# Allegro board RK3568_Template_DDR4P216SD6_48x32_1600MHZ_V10_20210129GXL.brd (continued)
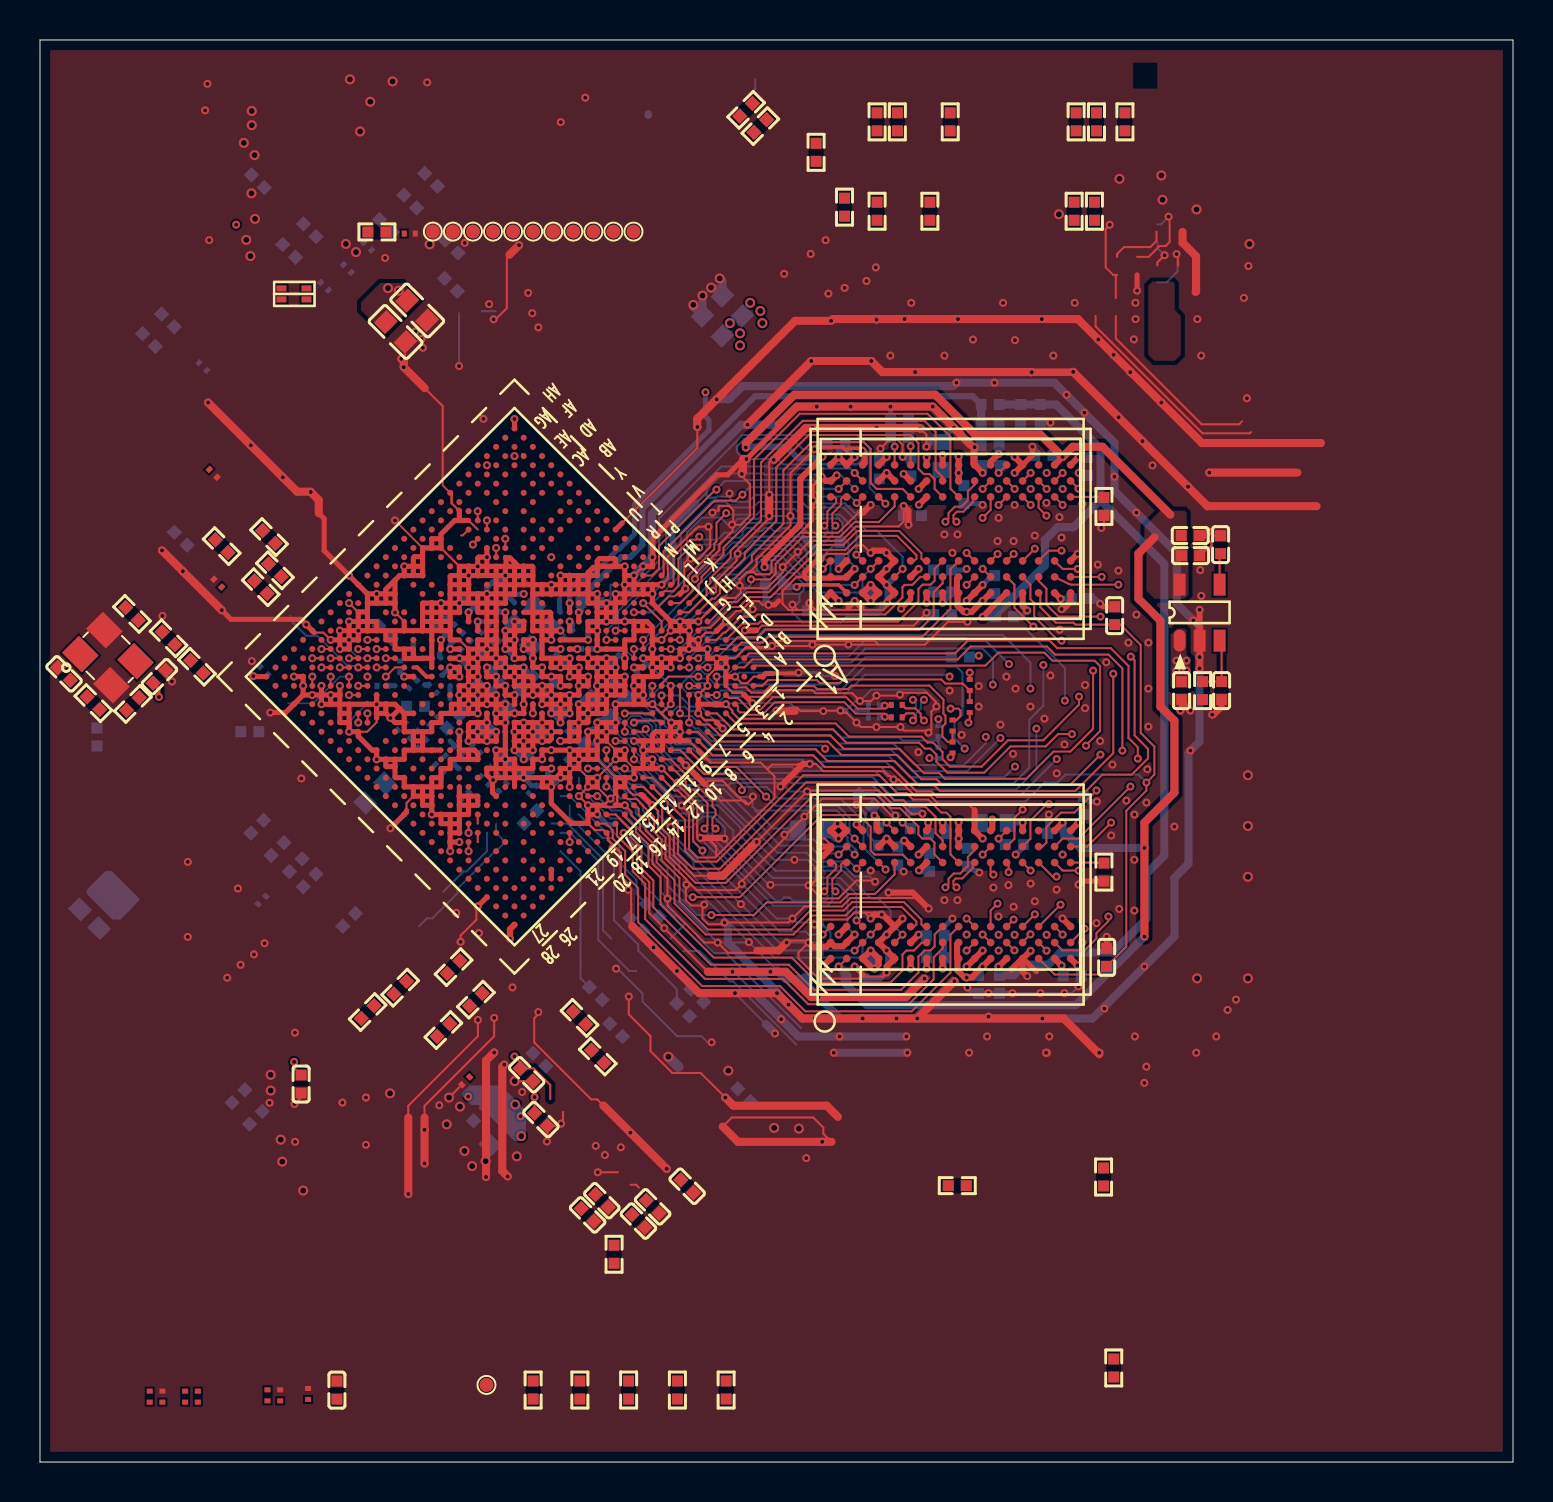
[diagram p0: board, top side]
## Nets (continued)
MIPI_DSI_TX0_D0N/LVDS_TX0_D0N: U1000.AG17
MIPI_DSI_TX0_D0P/LVDS_TX0_D0P: U1000.AH17
MIPI_DSI_TX0_D1N/LVDS_TX0_D1N: U1000.AG16
MIPI_DSI_TX0_D1P/LVDS_TX0_D1P: U1000.AH16
MIPI_DSI_TX0_D2N/LVDS_TX0_D2N: U1000.AG14
MIPI_DSI_TX0_D2P/LVDS_TX0_D2P: U1000.AH14
MIPI_DSI_TX0_D3N/LVDS_TX0_D3N: U1000.AG13
MIPI_DSI_TX0_D3P/LVDS_TX0_D3P: U1000.AH13
MIPI_DSI_TX1_CLKN: U1000.AE15
MIPI_DSI_TX1_CLKP: U1000.AD15
MIPI_DSI_TX1_D0N: U1000.AE18
MIPI_DSI_TX1_D0P: U1000.AD18
MIPI_DSI_TX1_D1N: U1000.AC17
MIPI_DSI_TX1_D1P: U1000.AD17
MIPI_DSI_TX1_D2N: U1000.AC14
MIPI_DSI_TX1_D2P: U1000.AD14
MIPI_DSI_TX1_D3N: U1000.AE12
MIPI_DSI_TX1_D3P: U1000.AD12
PCIE20_CLKREQN_M1: U1000.AG6
PCIE20_PERSTN_M1: U1000.AD1
PCIE20_PRSNT_L_GPIO3_B6: U1000.AE3
PCIE20_REFCLKN: U1000.V25
PCIE20_REFCLKP: U1000.V24
PCIE20_RXN: U1000.Y28
PCIE20_RXP: U1000.Y27
PCIE20_TXN: U1000.W28
PCIE20_TXP: U1000.W27
PCIE20_WAKEN_M1: U1000.AD7
PCIE30_REFCLKN_IN: U1000.AA25
PCIE30_REFCLKP_IN: U1000.Y25
PCIE30_RESREF: R1400.1 U1000.U19
PCIE30_RX0N: U1000.AC27
PCIE30_RX0P: U1000.AC28
PCIE30_RX1N: U1000.AD27
PCIE30_RX1P: U1000.AD28
PCIE30_TX0N: U1000.AA27
PCIE30_TX0P: U1000.AA28
PCIE30_TX1N: U1000.AB27
PCIE30_TX1P: U1000.AB28(PCIE30_TX1P)
PCIE30X1_CLKREQN_M1: U1000.AC8
PCIE30X1_PERSTN_M1: U1000.AB8
PCIE30X1_PRSNT_L_GPIO3_A0: U1000.AH4
PCIE30X1_WAKEN_M1: U1000.AC7
PCIE30X2_CLKREQN_M1: U1000.AF5
PCIE30X2_PERSTN_M1: U1000.AD6
PCIE30X2_PRSNT_L_GPIO2_D7: U1000.AH5
PCIE30X2_WAKEN_M1: U1000.AF6
PCIE_PWREN_H_GPIO0_D4: U1000.AB23
PDM_CLK0_M0_RK809: R1906.2
PDM_CLK0_M0_SOC: R1906.1 U1000.C20
PDM_CLK1_M0_ADC: R1904.2
PDM_CLK1_M0_SOC: R1904.1 U1000.F18
PDM_SDI1_M0_ADC: U1000.A21
PDM_SDI2_M0_ADC: U1000.E20
PDM_SDI3_M0_ADC: U1000.D20
PMIC_INT_L: U1000.AA22
PMIC_SLEEP_H: U1000.AG28
PWM3_IR: U1000.AG23
REFCLK_OUT: R1203.2
REFCLKOUT: R1203.1 U1000.AG27
RESETN: C1200.1 R1201.1 U1000.AH27
RS485_DIR_GPIO3_B5: U1000.AE2
RTCIC_INT_L_GPIO0_D3: U1000.AE26
SARADC_VIN0_KEY/RECOVERY: C1501.1 R1512.2 TP1501.1 U1000.B27
SARADC_VIN1_HW_ID: C1502.1 U1000.C26
SARADC_VIN2_BOM_ID: C1503.1 U1000.D24
SARADC_VIN3: C1504.1 U1000.E23
SARADC_VIN4: C1505.1 U1000.G21
SARADC_VIN5: C1506.1 U1000.F22
SARADC_VIN6: C1507.1 U1000.G20
SARADC_VIN7: C1508.1 U1000.F21
SATA0_ACT_LED: U1000.AE8
SATA0_RXN: U1000.R27
SATA0_RXP: U1000.R28
SATA0_TXN: U1000.T27
SATA0_TXP: U1000.T28
SATA1_ACT_LED: U1000.AD8
SATA1_RXN: U1000.U27
SATA1_RXP: U1000.U28
SATA1_TXN: U1000.V27
SATA1_TXP: U1000.V28
SATA2_ACT_LED: U1000.AH7
SDMMC0_CLK: R1304.2
SDMMC0_D0: U1000.J25
SDMMC0_D1: U1000.J24
SDMMC0_D2/ARMJTAG_TCK: R1302.1 U1000.H26
SDMMC0_D3/ARMJTAG_TMS: R1303.1 U1000.J23
SDMMC0_DET_L: U1000.Y22
SDMMC1_CLK: R1502.2
SDMMC1_CMD: R1501.1 U1000.C28
SDMMC1_D3: R1500.1 U1000.C27
SOC_PCM_IN: TP1500.1 U1000.F26
SPK_CTL_H_GPIO3_C3: U1000.AC4
TP_INT_L_GPIO0_B5: U1000.AC22
TP_RST_L_GPIO0_B6: U1000.AA20
TSADC_SHUT_M0: R1201.2 U1000.AG26
UART1_RTSN_M0: R1506.1 U1000.G28
UART1_RX_M0: R1504.1 U1000.F28
UART1_TX_M0: R1505.1 U1000.G27
UART2_RX_M0_DEBUG: U1000.AC20
UART2_TX_M0_DEBUG: U1000.AH24
UART4_RX_M1: U1000.AG1
UART4_TX_M1: U1000.AF2
UART7_RX_M1: U1000.AC2
UART7_TX_M1: U1000.AC3
USB2_HOST2_DM: U1000.R1
USB2_HOST2_DP: U1000.R2
USB2_HOST3_DM: U1000.T1
USB2_HOST3_DP: U1000.T2
USB3_HOST1_DM: U1000.P25
USB3_HOST1_DP: U1000.P24
USB3_OTG0_DM: U1000.P28
USB3_OTG0_DP: U1000.P27
USB3_OTG0_ID: U1000.L23
USB3_OTG0_VBUSDET: C1400.1 U1000.M24
USB_AVDD_0V9: C1403.1 C1406.1 U1000.P22 U1000.R8
USB_AVDD_1V8: C1402.1 C1405.1 U1000.P9 U1000.P23
USB_HOST_PWREN_H_GPIO0_A6: U1000.AE24
USB_OTG_PWREN_H_GPIO0_A5: U1000.AF25
VGA_HPDIN_GPIO0_C0: U1000.AD22
VGA_PWREN_H_GPIO0_D5: U1000.AD25
VREF_DDR4_CA: C3305.1 C3306.1 R3321.2 R3322.1 R3323.1 U3300.M1 U3301.M1
WIFI_PWREN_L_GPIO0_C1: U1000.AF23
WIFI_REG_ON_H_GPIO2_B1: U1000.D26
WIFI_WAKE_HOST_H_GPIO2_B2: U1000.E25
WORKING_LEDEN_H_GPIO0_B7: U1000.AH26
XIN24M: C1202.1 R1202.2 U1000.AF28 Y1200.3(X2)
XOUT24M: R1200.2 R1202.1 U1000.AF27
N05451: C3329.1 R3325.2 U3302.3
N05479: C3330.1 U3302.4
N09455: R3313.1 U3300.F9(ZQ)
N09471: R3312.1 U3301.F9(ZQ)
N16770801: C1201.1 R1200.1 Y1200.1
N16788127: C3300.1 R3300.2 R3301.2
N16851460: R3315.1 U3300.T7
N16851478: R3317.1 U3300.E9
N16851904: R3314.1 U3301.T7
N16851922: R3316.1 U3301.E9
N17520047: R1303.2 TP1305.1
N17520091: R1302.2 TP1304.1

Pads without a net: U1000 AB1 B2 D8 M4 M5 M7 P1 P2 P4 P5 P7 R4 R5 R7 R24 R25 U24 U25; U3300 P9; U3301 P9

## Via types
v1: diameter 0.4, hole 0.2, TOP to BOTTOM, 897 vias
v2: diameter 0.5, hole 0.3, TOP to BOTTOM, 58 vias

## Routing (per net, layer and track width the routed paths; a pad name or vN(x,y) marks a point on that pad's centre or on a via; arc(x,y) is an arc through that point)
DDR4_BG1/VSS: length 22.4
  TOP w0.102: U3301.M9 v1(47.94,31.18) ; U3300.M9 v1(47.94,49.47)
  L4-S1 w0.102: v1(47.94,49.47) 47.53,49.06 47.53,45.21 48.1,44.64 48.1,41.86 46.94,40.71 v1(46.94,40.32) 46.94,39.4 46.5,38.95 46.5,37.71 46.94,37.26 46.94,32.96 47.2,32.7 47.2,32.04 47.94,31.31 v1(47.94,31.18)
  BOTTOM w0.102: v1(47.94,49.47) 48.02,49.55 R3319.1 ; v1(46.94,40.32) 46.88,40.25 R3320.1
  BOTTOM w0.305: R3318.1 48.24,30.88 v1(47.94,31.18)
GND: length 1704.6
  TOP w0.089: 35.37,38.21 35.42,38.27 36.25,38.27 35.94,37.95 v1(35.63,37.95) ; 35.82,41.59 35.82,41.59 ; U1000.D3 33.84,39.74 33.46,39.36 ; 30.87,42.71 31.45,43.29 31.75,43.29 31.87,43.42 U1000.K1 ; v1(27.86,41.58) U1000.M8 ; v1(30.62,32.85) 30.65,32.82 ; U1000.A14 30.17,33.31 ; 34.49,42.23 v1(34.3,42.04) ; 27.4,34.22 26.94,34.68 ; 20.14,49.14 20.14,48.85 U1000.AH8 ; 28.78,35.6 28.33,36.06 28.33,36.06 28.32,36.06 ; 20.05,32.39 v1(19.59,32.39) ; U1000.F12 v1(28.33,36.52) ; U1000.H3 v1(32,42.04) ; 18.31,36.98 U1000.V23 ; 17.9,46.94 19.13,45.72 ; U1000.G11 28.78,37.42 ; U1000.G14 27.4,35.94 ; 27.86,33.76 28.19,33.44 28.19,33.44 28.49,33.14 ; 29.7,34.68 29.24,35.14 ; U1000.M26 19.13,32.85 ; v1(33.67,43.58) 33.67,43.61 33.74,43.68 ; 29.12,46.97 29.78,47.63 ; U1000.AB24 v1(15.45,38.36)
  TOP w0.102: 40.44,42.62 40.94,42.62 ; 40.44,42.62 40.44,42.77 40.29,42.62 ; 40.44,42.62 40.29,42.62 ; 40.94,42.62 41.04,42.72 41.09,42.72 41.19,42.62 ; 40.94,42.62 41.19,42.62 ; 18.28,55.38 v1(18.07,55.17) ; v1(32.33,28.88) 32.33,29.14 31.28,30.18 31.28,31.23 30.91,31.6 30.91,32.56 30.65,32.82 ; v1(32.33,28.88) 32.55,28.88 32.83,28.6 34.78,28.6 v1(35.1,28.91) 35.1,29.05 37.23,31.18 v1(37.23,31.38) 37.33,31.38 v1(38.23,32.28) 39.13,33.18 41.73,33.18 42.58,32.33 v1(42.78,32.33) ; v1(32.33,28.88) 32.33,28.68 32.29,28.64 32.29,28.1 32.56,27.83 33.17,27.83 v1(33.22,27.88) 33.22,27.78 33.13,27.7 33.13,27.18 33.41,26.9 34.14,26.9 v1(34.23,26.98) 37.43,26.98 v1(37.63,27.18) 38.23,27.78 40.11,27.78 40.53,28.21 43.91,28.21 ; 35.48,44.5 35.7,44.5 35.8,44.4 36.47,44.4 36.58,44.51 36.58,45.03 38.03,46.48 ; 35.48,44.5 35.84,44.86 35.84,45.15 37.53,46.84 v1(37.53,47.31) 37.53,49.45 v1(38.73,50.65) ; 35.48,44.5 35.33,44.5 34.99,44.16 v1(34.99,43.83) 35.04,43.78 ; 29.25,32.85 29.58,32.51 29.58,32.33 30,31.92 30,31.59 30.63,30.96 30.63,29.91 31.38,29.17 v1(31.38,28.18) 31.38,27.83 33.23,25.98 v1(33.89,25.98) 34.4,25.46 35.75,25.46 35.87,25.58 ; v1(32.75,44.17) 32.8,44.22 32.8,44.45 33.98,45.62 33.98,45.91 34.64,46.57 34.64,46.85 34.61,46.87 ; v1(31.08,41.12) 31.08,41.12 v1(31.54,41.58) ; C1400.2 13.06,18.24 v1(12.73,17.91) ; 32.45,36.06 32.93,35.59 ; v1(38.43,28.84) 39.08,28.19 39.94,28.19 40.83,29.08 41.71,29.08 v1(41.76,29.02) ; v1(32.27,43.68) 32.22,43.73 32.22,44.96 32.44,45.18 v1(32.55,45.18) 32.62,45.11 32.86,45.11 33.52,45.77 33.52,46.69 v1(33.43,46.78) 32.93,46.78 32.83,46.68 32.79,46.68 31.39,45.28 31.39,44.68 31.4,44.67 31.4,44.19 31.08,43.88 v1(31.08,43.88) ; v1(35.1,49.42) 35.1,49.31 35.5,48.91 35.5,47.34 35.03,46.87 34.61,46.87 ; v1(38.73,26.88) 38.98,27.13 40.37,27.13 40.72,27.48 41.24,27.48 ; 26.15,17.51 26.15,17.02 v1(26.06,16.92) 25.95,16.81 C1502.2 25.37,16.04 v1(25.35,16.03) ; C3330.2 58.64,46.33 v1(58.44,46.53) ; 35.97,39.28 35.69,39.28 35.37,38.96 35.08,38.96 v1(34.76,39.28) ; v1(21.03,26.01) 21.03,26.33 21.82,27.12 21.82,27.72 v1(21.89,27.79) ; 38.38,42.62 37.89,42.62 ; 38.38,42.62 38.79,42.62 ; 38.38,42.62 38.48,42.71 38.48,42.93 ; 37.89,42.62 37.44,42.62 37.13,42.93 37.13,43.56 37.84,44.27 38.24,44.27 ; 37.89,42.62 v1(37.63,42.88) ; 34.34,43.21 34.77,43.21 35.04,43.48 35.04,43.78 ; v1(53.07,46.71) 53.1,46.71 53.2,46.82 R3315.2 ; 34.61,46.87 v1(34.6,46.88) 34.67,46.94 34.67,47.6 34.46,47.81 33.94,47.81 33.94,47.58 33.72,47.58 v1(33.63,47.48) ; 38.03,46.48 39.92,46.48 40.92,47.48 41.15,47.48 ; 38.03,46.48 38.33,46.78 ; 54.86,60.27 55.44,60.27 55.98,60.81 56.29,60.81 56.49,61.01 56.49,62.24 v1(56.44,62.29) ; v1(44.03,51.68) 44.33,51.38 v1(44.33,50.78) ; v1(24.92,22.5) 24.92,22.4 24.72,22.2 24.72,20.98 27.56,18.14 27.87,18.14 28.17,17.83 ; v1(28.78,35.14) 28.32,34.68 ; 28.32,34.68 28.78,34.22 ; 28.32,34.68 27.86,35.14 ; 28.32,34.68 v1(27.86,34.22) ; v1(32.08,32.84) 32.46,32.46 32.46,30.66 32.89,30.23 33.76,30.23 33.82,30.29 ; 53.86,60.27 53.86,60.42 54.21,60.76 55.53,60.76 55.83,61.07 55.83,61.52 55.84,61.52 ; 35.04,43.78 35.11,43.7 36.35,43.7 37.14,44.49 v1(37.14,44.76) 37.89,45.51 v1(37.89,45.52) 37.97,45.52 38.52,46.07 40.09,46.07 40.81,46.79 42.94,46.79 43.19,47.04 v1(43.19,47.82) ; v1(27.89,14.49) 28.88,14.49 28.9,14.5 ; 36.37,34.65 36.73,34.29 36.73,33.2 33.82,30.29 ; 36.37,34.65 36.6,34.88 37.89,34.88 37.93,34.91 38.16,34.91 ; 36.37,34.65 36.04,34.98 33.54,34.98 ; 27.4,31.94 27.74,31.6 28.19,31.6 U1000.A18 ; v1(42.34,24.48) 42.34,24.45 42.17,24.28 41.24,24.28 41.17,24.35 40.99,24.18 38.93,24.18 37.93,25.18 37.93,25.48 v1(38.43,25.98) 38.33,26.08 37.44,26.08 v1(37.34,25.98) ; v1(14.54,41.12) 14.17,41.48 13.71,41.48 ; 33.74,43.68 33.79,43.74 33.79,44.04 34.83,45.08 34.83,45.35 34.89,45.41 v1(34.89,45.43) 34.89,45.63 36.46,47.21 v1(36.46,47.31) ; 53.8,58.21 53.8,59.31 53.86,59.37 53.66,59.37 53.29,59.75 53.29,61.68 v1(53.49,61.88) ; 33.25,37.11 32.92,37.43 ; v1(17.75,42.49) 17.76,42.49 18.21,42.04 ; 31.88,33.88 32.86,32.9 32.86,31.28 32.97,31.18 33.43,31.18 33.82,30.79 33.82,30.29 ; 60.11,52.05 59.97,51.9 58.09,51.9 53.8,56.19 53.8,57.31 ; v1(36.46,48.38) 36.46,50.02 36.57,50.12 v1(36.69,50.12) ; v1(22.71,22.21) 22.71,21.3 19.23,17.81 19.23,17.22 ; v1(44.13,32.42) 43.57,32.42 43.1,32.9 42.63,32.9 41.94,33.59 38.43,33.59 38.38,33.54 v1(38.36,33.54) 38.36,33.54 v1(35.84,31.01) ; 19.24,53.71 20.14,52.81 20.14,49.14 ; v1(35.65,33.28) 35.62,33.25 35.62,33.08 35.43,32.88 35.4,32.91 ; 41.24,27.48 41.99,27.48 v1(42.09,27.38) ; 41.24,27.48 v1(41.54,27.18) ; 31.08,34.68 31.79,33.98 v1(31.88,33.98) ; 29.78,47.63 32.87,50.72 v1(32.87,51.76) ; v1(41.54,45.47) 41.17,45.84 40.77,45.84 40.36,45.42 39.34,45.42 39.1,45.18 v1(39.03,45.18) ; 29.95,13.73 29.81,13.87 29.53,13.87 ; 18.67,33.31 18.33,32.96 18.33,32.58 ; 35.4,32.91 35.3,32.91 34.13,34.08 33.43,34.08 33.25,33.89 33.54,33.61 33.54,33.58 34.03,33.08 35.23,33.08 35.4,32.91 ; v1(29.18,31.46) 29.33,31.31 29.33,31.18 29.87,30.64 29.87,29.6 30.47,29 30.47,27.45 v1(31.22,26.7) 33.4,24.52 ; 29.25,33.76 29.64,33.38 30.03,33.38 ; U3301.A8 39.54,30.88 39.24,31.18 39.14,31.18 ; 38.79,42.62 40.29,42.62 ; 38.79,42.62 38.48,42.93 ; v1(38.49,34.91) 38.8,34.91 39.17,34.55 42.17,34.55 42.41,34.31 42.51,34.31 v1(42.68,34.14) 42.94,34.14 43.74,33.33 44.51,33.33 44.96,32.88 46.45,32.88 46.74,32.6 ; v1(36.83,37.58) 36.42,37.17 34.94,37.17 34.62,37.48 34.62,37.58 v1(34.3,37.9) ; C1202.2 6.29,39.34 6.66,38.98 v1(6.6,39.03) ; v1(42.03,50.68) 42.48,51.13 42.88,51.13 43.14,50.88 v1(43.14,50.27) ; 56.91,59.82 56.91,60.34 v1(56.84,60.41) ; 21.89,46.63 21.43,47.09 ; 20.97,18.74 v2(20.46,18.23) ; v1(15.45,42.96) 15.91,42.5 ; 37.34,37.58 37.48,37.72 37.87,37.72 38.04,37.56 v1(39.17,37.56) 39.2,37.58 v1(40.03,37.58) 40.13,37.48 40.33,37.48 v1(40.83,36.98) 41.05,36.76 v1(41.83,36.76) v1(43.03,36.76) 43.21,36.58 44.33,36.58 v1(44.43,36.48) 44.57,36.63 44.57,37.53 v1(44.83,37.79) 44.78,37.83 44.78,38.04 44.35,38.47 43.1,38.47 v1(43,38.38) 42.95,38.33 v1(41.83,38.33) 41.56,38.06 v1(41,38.06) 40.62,38.45 38.78,38.45 38.63,38.6 36.71,38.6 36.38,38.27 36.25,38.27 ; v1(27.41,33.77) 26.95,33.31 27.4,32.85 ; 41.19,42.62 42.17,42.62 42.36,42.81 v1(42.36,42.98) ; v1(34.27,18.23) 33.04,19.46 31.62,19.46 30.53,20.55 30.53,21.3 29.44,22.39 v1(29.44,23.28) ; 18.42,17.22 18.42,17.81 21.9,21.3 v1(21.9,22.11) ; 41.93,40.88 41.74,41.07 36.88,41.07 36.62,40.81 ; 41.93,40.88 44.26,40.88 44.89,41.51 45.4,42.02 v1(46.37,42.02) ; 41.93,40.88 v1(40.43,40.88) v1(38.63,40.88) 38.56,40.81 36.62,40.81 ; v1(29.42,28.61) 29.56,28.47 29.56,27.91 29.56,27.9 29.56,26.85 29.63,26.79 ; 55.88,59.85 55.88,60 v1(56.24,60.36) ; U1000.Y26 15.91,36.52 16.36,36.52 16.83,37 16.83,37.21 ; v1(36.43,42.87) 36.14,42.87 35.95,43.05 35.53,43.05 35.04,42.56 34.82,42.56 34.49,42.23 ; 20.97,41.12 21.43,40.66 ; 34.64,38.48 34.3,38.82 ; v1(38.48,42.97) 38.48,42.93 ; 20.97,44.8 20.05,45.72 ; 20.94,47.61 20.93,47.61 20.58,47.95 ; 23.48,60.38 23.34,60.25 23.34,57.71 22.79,57.15 v1(22.68,57.15) ; 39.58,16.01 39.17,16.42 39.17,16.72 38.66,17.23 34.6,17.23 34.14,16.78 ; v1(44.33,42.48) 43.68,41.83 36.1,41.83 35.86,41.59 35.82,41.59 ; v1(17.75,47.09) 17.9,46.94 ; C1501.2 v2(23.73,19.05) ; v1(31.54,31.75) 31.7,31.6 31.7,30.34 32.72,29.32 33.53,29.32 ; v1(36.61,40.81) 36.62,40.81 ; 52.79,57.32 52.79,56.8 58.14,51.45 60.49,51.45 60.56,51.51
  TOP w0.114: U1000.D2 34.76,40.2 35.3,40.74 ; v1(29.7,44.34) v1(30.16,44.8) ; 31.05,37.48 31.12,37.48 v1(31.54,37.9) ; 31.05,37.48 31.54,36.98 ; 31.05,37.48 v1(30.62,37.9) ; v1(32.92,38.36) 33.34,38.78 v1(33.38,38.82) ; U1000.F1 33.74,41.48 33.28,41.48 32.92,41.12 v1(32.92,41.12) ; v1(32.92,42.04) 33.35,42.46
  TOP w0.127: U1000.A18 28.4,31.39 28.4,31.11 28.63,30.88 28.63,30.7 v1(28.63,30.7) 28.65,30.7 28.67,30.68 28.83,30.68 29.04,30.48 29.04,29.28 29.47,28.84 29.47,28.66 v1(29.42,28.61) ; U1000.A6 33.71,37.11 33.25,37.11 ; 33.24,35.28 33.54,34.98 ; U1000.AH8 20.58,48.4 20.58,47.95 ; 27.4,32.85 v1(27.4,32.85) ; 33.46,39.36 33.38,39.28 v1(33.38,38.82) ; 32.92,37.43 v1(32.92,37.44) ; 29.75,44.38 29.7,44.38 v1(29.7,44.34) ; v1(26.95,33.31) 26.95,33.31 ; 28.49,33.14 28.19,32.85 28.28,32.76 28.7,32.76 U1000.B16 28.86,32.93 28.86,33.36 28.78,33.44 28.59,33.25 28.49,33.15 28.49,33.14
  TOP w0.152: v1(36.61,40.81) 36.5,40.71 36.47,40.74 35.3,40.74 ; 33.35,42.46 34.09,43.21 34.34,43.21 ; U1000.A3 35.1,38.48 34.64,38.48 ; 31.08,34.68 v1(31.08,34.68) ; v1(38.43,28.84) 38.52,28.84 38.84,29.16 38.84,29.59 38.74,29.69 ; 31.88,33.88 v1(31.88,33.98) ; 38.33,46.78 38.33,46.78 38.62,47.07 38.62,47.68 38.66,47.73 38.66,47.94 38.66,47.95 v1(38.66,48.09) 38.66,48.85 v1(39.09,49.27) ; v1(29.24,32.85) 29.25,32.85
  TOP w0.178: v1(41.14,50.57) 41.14,50.57 41.01,50.7 40.45,50.7 40.35,50.61 40.3,50.61 40.14,50.76 38.84,50.76 v1(38.73,50.65)
  TOP w0.203: 36.65,39.44 37.89,39.44 v1(37.94,39.48)
  TOP w0.25: v1(14.54,38.36) U1000.AC25 15,36.98 ; 15.45,37.44 15.45,37.9
  TOP w0.254: 24.19,43.88 U1000.V8 ; 24.19,43.88 U1000.Y8 ; 24.19,43.88 23.73,43.88 ; U1000.V8 25.11,43.44 25.13,43.42 ; U1000.V8 v1(25.57,43.88) ; U1000.K14 v1(26.03,37.9) ; U1000.K14 v1(26.49,37.44) U1000.K13 ; U1000.K14 v1(25.57,37.44) U1000.L14 ; U1000.K14 v1(26.03,36.98) ; v1(26.03,37.9) U1000.K13 ; v1(26.03,37.9) U1000.L14 ; v1(26.03,37.9) U1000.L13 ; U1000.B16 v1(29.24,32.85) ; U1000.AB17 19.13,42.04 ; U1000.AB17 U1000.AC18 ; U1000.AB17 19.59,41.58 ; 19.13,42.04 U1000.AA15 ; 19.13,42.04 19.14,42.04 19.14,42.5 ; v1(21.43,38.82) U1000.U17 ; v1(21.43,38.82) v1(22.35,38.82) 22.35,38.36 ; v1(21.43,38.82) U1000.U18 20.97,38.36 v1(20.97,38.36) ; v1(21.43,38.82) U1000.T18 ; U1000.U17 v1(21.43,39.74) ; U1000.U17 v1(21.89,39.28) ; v1(23.27,36.98) U1000.N17 ; v1(23.27,36.98) U1000.N18 v1(22.81,37.44) ; v1(23.27,36.98) U1000.M18 U1000.L19 ; U1000.N17 v1(23.27,37.9) U1000.P17 ; U1000.N17 v1(22.81,37.44) ; U1000.N17 v1(23.73,37.44) U1000.M16 v1(24.19,37.9) U1000.N15 ; 18.67,36.06 19.13,36.06 ; 18.67,36.06 18.67,35.6 ; 18.67,36.06 U1000.U23 ; 19.13,36.06 19.13,36.52 ; 19.13,36.06 19.13,36.06 19.13,35.6 ; v1(21.89,44.8) U1000.AB11 ; v1(21.89,44.8) 21.89,45.21 21.94,45.26 v1(22.35,45.26) ; v1(21.89,44.8) 22.35,44.8 ; v1(21.89,44.8) U1000.AC11 ; U1000.AB11 v1(21.43,44.34) ; U1000.AB11 22.35,44.34 ; 21.43,42.96 v1(20.97,42.96) ; 21.43,42.96 U1000.Y12 ; 21.43,42.96 21.43,42.96 ; 21.43,42.96 21.43,42.96 ; v1(20.97,42.96) 20.97,43.42 ; v1(20.97,42.96) U1000.AB14 ; v1(20.97,42.96) U1000.AA14 20.51,42.5 ; U1000.AF17 17.29,42.96 ; U1000.AF17 17.29,43.42 v1(16.83,43.42) ; U1000.AF17 17.29,43.65 17.75,44.11 ; U1000.AF17 17.75,43.42 17.75,43.41 ; 17.29,42.96 U1000.AE17 ; 17.29,42.96 17.29,42.96 U1000.AF18 ; 26.49,34.68 U1000.G17 26.03,34.44 25.81,34.22 ; 26.49,34.68 v1(26.49,34.69) ; 26.49,34.68 26.49,34.68 U1000.F17 ; 30.62,39.3 30.61,39.28 30.16,39.28 ; 30.62,39.3 30.94,39.3 31.08,39.44 U1000.G6 ; 30.62,39.3 v1(30.62,39.74) ; 17.75,44.11 17.98,44.34 U1000.AF15 ; 17.75,44.11 17.75,43.41 ; 26.03,43.42 26.45,43.42 ; 26.03,43.42 26.03,43.42 U1000.U7 ; 26.03,43.42 U1000.U8 ; 26.45,43.42 26.49,43.45 26.49,43.88 ; 26.45,43.42 26.91,43.42 ; 22.87,34.68 U1000.L21 22.35,34.36 22.6,34.11 v1(22.65,34.11) ; 22.87,34.68 23.73,34.68 ; 22.87,34.68 22.81,34.74 ; 26.49,35.18 v1(26.49,35.6) U1000.G15 ; 26.49,35.18 v1(26.49,34.69) ; 26.49,35.18 26.52,35.14 v1(26.95,35.14) ; U1000.U16 v1(21.43,39.74) ; U1000.U16 v1(21.89,39.28) ; U1000.U16 v1(21.89,40.2) ; v1(21.43,39.74) U1000.V16 ; v1(17.52,37.21) 17.29,37.44 ; v1(17.52,37.21) 17.75,36.98 U1000.V23 ; v1(17.52,37.21) 17.98,37.67 ; 17.29,37.44 U1000.Y24 ; 17.29,37.44 U1000.Y23 ; U1000.F9 v1(30.16,38.36) ; U1000.F9 29.7,37.9 ; U1000.F9 v1(30.62,37.9) ; v1(30.16,38.36) U1000.G8 ; v1(30.16,38.36) U1000.G9 ; U1000.C11 30.62,36.06 30.62,36.06 ; U1000.C11 v1(30.16,35.6) ; U1000.C11 31.1,35.6 31.13,35.63 31.13,36.06 ; 17.75,41.58 17.75,41.12 ; 17.75,41.58 17.29,41.58 ; 17.75,41.58 17.75,41.58 U1000.AC18 ; 17.75,41.12 17.75,40.66 17.86,40.66 17.86,40.66 18.22,40.66 ; 17.75,41.12 17.29,41.12 17.29,41.57 17.29,41.58 ; U1000.U10 25.11,42.5 ; U1000.U10 24.19,42.5 ; U1000.U10 24.65,42.04 ; U1000.U10 U1000.V9 ; 25.11,42.5 U1000.T10 ; 25.11,42.5 25.5,42.5 25.54,42.46 25.54,42.07 25.57,42.04 ; 22.81,44.8 U1000.AA9 ; 22.81,44.8 22.35,44.8 22.35,44.8 ; 22.81,44.8 22.81,44.34 ; U1000.AA9 23.31,44.84 23.31,45.2 23.28,45.22 23.28,45.24 23.3,45.22 23.5,45.22 23.73,44.99 ; U1000.AA9 23.93,44.8 ; U1000.AA9 v1(23.27,44.34) ; 21.43,47.09 U1000.AF9 ; U1000.AF9 20.97,47.58 20.94,47.61 ; U1000.AF9 20.74,47.09 20.05,46.4 20.05,46.17 ; U1000.AE27 v1(13.16,38.82) U1000.AF26 v1(12.7,39.28) ; U1000.AE27 U1000.AE28 12.28,37.48 v1(11.51,37.48) ; U1000.AE27 v1(13.62,38.36) U1000.AD26 ; v1(26.95,35.14) 27.86,35.14 U1000.F14 ; v1(26.95,35.14) 26.95,35.15 U1000.G15 ; v1(26.95,35.14) 26.94,35.14 26.94,34.69 ; U1000.K13 v1(26.49,38.36) ; U1000.R18 v1(22.35,37.9) ; U1000.R18 v1(21.43,37.9) ; U1000.R18 v1(21.89,37.44) U1000.R19 ; U1000.R18 v1(21.89,38.36) ; v1(22.35,37.9) U1000.P17 ; v1(22.35,37.9) 22.35,38.36 ; 18.67,35.6 18.21,35.6 18.21,35.14 17.75,35.14 ; 18.67,35.6 19.13,35.6 ; U1000.C17 28.19,32.85 ; U1000.C17 v1(27.4,32.85) U1000.C18 ; U1000.C17 v1(27.86,32.39) 27.86,32.39 U1000.C18 ; U1000.T19 20.57,37.9 20.57,37.5 20.51,37.44 ; U1000.T19 v1(21.43,37.9) ; U1000.T19 20.97,37.44 ; U1000.T19 v1(20.97,38.36) ; 16.83,41.58 16.83,42.04 16.37,42.04 ; 16.83,41.58 17.29,41.58 ; 16.83,41.58 U1000.AE20 ; v1(21.89,27.79) 22.35,28.25 U1000.D28 ; v1(22.81,40.2) U1000.T15 v1(23.27,39.74) ; v1(22.81,40.2) U1000.T14 v1(23.27,39.74) ; v1(22.81,40.2) 22.35,40.2 ; v1(22.81,40.2) U1000.U14 ; U1000.C9 v1(32,36.52) ; U1000.C9 31.54,36.96 v1(31.57,36.98) U1000.C8 32,36.52 v1(32,36.52) ; U1000.C9 31.14,36.52 ; U1000.C9 31.54,36.06 ; v1(32,36.52) U1000.B9 ; U1000.L19 v1(23.27,35.15) 23.27,34.26 23.23,34.22 ; U1000.L19 v1(22.81,35.6) U1000.L20 ; v1(22.65,34.11) 22.63,34.08 22.63,33.49 U1000.J22 ; v1(22.65,34.11) 22.77,34.22 ; U1000.V13 22.35,41.58 ; U1000.V13 22.81,42.04 ; U1000.V13 22.81,41.12 ; 22.35,41.58 U1000.V14 ; 22.35,41.58 U1000.W13 ; U1000.AG18 U1000.AH18 v1(15.45,44.34) 14.21,45.58 14.21,47.18 13.94,47.45 ; U1000.AG18 16.83,43.42 v1(16.83,43.42) ; U1000.AG18 16.37,42.96 ; v1(26.03,39.74) U1000.N12 25.57,40.16 25.53,40.2 ; v1(26.03,39.74) U1000.M11 ; v1(26.03,39.74) U1000.N11 ; U1000.G18 25.81,34.22 ; U1000.G18 25.12,34.22 ; U1000.G18 v1(25.57,33.76) ; 25.81,34.22 v1(26.03,34.22) U1000.F17 ; 17.75,34.78 17.75,35.14 ; 17.75,34.78 17.75,34.26 17.78,34.22 U1000.R26 18.21,33.77 18.21,33.76 U1000.P26 ; 17.75,34.78 17.33,34.78 17.29,34.81 U1000.U26 ; 17.75,35.14 U1000.U26 ; 35.97,39.28 U1000.A1 36.3,39.44 36.65,39.44 ; 27.86,44.74 27.92,44.8 U1000.R3 ; 27.86,44.74 27.66,44.74 27.41,44.49 27.41,44.34 ; 27.86,44.74 27.86,44.34 27.41,44.34 ; 27.86,44.74 27.86,45.07 27.98,45.19 28.72,45.19 28.78,45.12 U1000.R3 ; v1(20.05,42.96) U1000.AC15 ; v1(20.05,42.96) U1000.AB15 ; v1(20.05,42.96) 20.05,42.96 U1000.AB14 ; U1000.AC15 19.59,42.5 ; U1000.AC15 19.15,42.96 19.14,42.94 19.14,42.5 ; 19.13,44.78 U1000.AE14 18.67,44.34 ; 19.13,44.78 19.12,44.8 U1000.AF14 ; 19.13,44.78 19.13,45.28 ; 20.05,34.22 19.59,34.22 19.59,33.31 ; 20.05,34.22 20.05,34.68 20.51,34.68 20.51,35.14 20.85,35.14 ; 20.05,34.22 20.05,33.77 19.13,33.77 ; 20.97,43.42 U1000.AA12 ; 20.97,43.42 U1000.AC12 ; 20.97,43.42 20.51,43.42 ; 20.51,37.44 20.05,37.44 20.05,36.98 19.59,36.98 19.59,36.52 19.13,36.52 ; 20.51,37.44 20.97,37.44 ; 15,36.98 U1000.AA26 ; U1000.AA26 15.45,37.44 15.02,37.44 15,37.41 ; U1000.AA26 15.45,36.52 v1(15.45,36.52) U1000.Y26 15.91,36.3 16.61,35.6 U1000.V26 v1(16.83,35.14) 17.29,35.14 U1000.U26 ; v1(39.03,45.18) 38.93,45.18 38.24,44.49 38.24,44.27 38.3,44.21 39.47,44.21 U3300.A2 39.59,44.22 40.29,44.22 U3300.B2 ; v1(25.57,33.76) 25.57,32.94 26.57,31.94 27.4,31.94 U1000.C18 ; v1(25.57,33.76) 25.09,33.76 25.12,33.8 25.12,34.22 ; U1000.T18 v1(20.97,38.36) ; U1000.T18 v1(21.43,37.9) ; U1000.T18 v1(21.89,38.36) ; U1000.R3 v1(29.24,44.8) U1000.P3 ; U1000.G9 29.7,37.9 29.7,37.9 ; U1000.G9 29.7,38.82 v1(29.7,38.82) ; U1000.C6 v1(32.92,37.44) ; U1000.C6 v1(32.92,38.36) ; U1000.C6 U1000.B5 v1(34.3,37.9) ; 22.35,38.36 v1(22.81,38.36) U1000.P17 ; 22.35,38.36 U1000.R17 v1(21.89,38.36) ; U1000.P3 v1(29.7,44.34) 29.7,43.42 ; U1000.P3 29.24,43.88 v1(29.24,43.88) ; U1000.AC9 22.35,45.26 v1(22.35,45.26) ; U1000.U7 26.48,43.88 26.49,43.88 ; U1000.U7 v1(26.03,44.34) U1000.U6 ; U1000.U7 v1(25.57,43.88) ; 22.35,40.2 U1000.U15 v1(21.89,40.2) ; 22.35,40.2 v1(22.35,40.66) ; 36.94,43.07 36.74,42.87 v1(36.43,42.87) ; U1000.AA12 21.89,42.52 21.91,42.5 22.35,42.5 ; U1000.AA12 v1(22.35,43.42) ; U1000.AE20 v1(15.91,41.58) ; U1000.AE20 16.37,42.04 ; v1(15.91,41.58) U1000.AF20 ; v1(15.91,41.58) U1000.AF21 ; v1(15.91,41.58) U1000.AE21 v1(15.45,41.12) ; 22.35,42.5 22.35,42.5 ; 22.35,42.5 22.35,42.5 ; 22.35,42.5 U1000.W12 ; 27.86,42.5 27.86,42.5 27.86,42.51 U1000.P6 ; 27.86,42.5 28.77,42.5 28.78,42.48 ; 27.86,42.5 v1(27.86,41.58) ; U1000.AC26 v1(14.54,38.36) 14.08,38.36 U1000.AD26 ; U1000.AC26 v1(14.08,37.9) U1000.AD26 ; U1000.AC26 U1000.AA24 v1(16.83,37.9) ; 23.73,34.68 24.19,34.68 ; 23.73,34.68 U1000.J20 23.73,33.76 ; 23.73,34.68 U1000.K19 U1000.L20 ; v1(15.45,41.12) 15,41.12 ; v1(15.45,41.12) U1000.AF21 ; v1(15.45,41.12) 15.47,41.11 15.47,40.66 v1(15,40.66) 15,41.12 ; 15,41.12 14.99,41.12 v1(14.54,41.12) ; 15,41.12 v1(15,41.58) U1000.AF21 ; v1(21.43,37.9) U1000.R19 ; 17.75,43.41 U1000.AE17 ; 26.94,34.69 26.94,34.68 ; 26.94,34.69 v1(26.49,34.69) ; U1000.V16 v1(21.89,40.2) ; U1000.V16 21.43,40.66 21.43,40.66 U1000.V15 ; U1000.V16 v1(20.97,40.2) U1000.W17 ; v1(21.89,40.2) U1000.V15 ; 26.49,43.88 27.33,43.88 27.41,43.96 ; 26.49,43.88 U1000.U6 ; 29.7,41.58 30.14,41.58 ; 29.7,41.58 29.7,42.04 ; 29.7,41.58 29.7,41.12 29.7,41.12 29.24,41.12 29.24,40.68 29.22,40.66 ; 30.14,41.58 30.14,42.04 ; 30.14,41.58 30.61,41.58 ; U1000.AF14 v1(18.21,44.8) U1000.AF15 ; U1000.AF14 18.67,45.22 18.73,45.28 19.13,45.28 ; U1000.AF14 18.67,44.34 ; 19.59,42.5 19.14,42.5 ; 19.59,42.5 U1000.AB15 ; 19.59,42.5 19.59,41.58 ; 32.93,35.59 33.24,35.28 ; U1000.Y24 v1(16.83,37.9) ; U1000.Y24 16.83,37.21 ; U1000.G5 31.54,40.2 v1(31.54,39.74) U1000.G6 ; U1000.G5 31.08,40.2 v1(31.08,40.2) ; U1000.G5 v1(32,40.2) 32,40.2 32,40.66 v1(32.46,40.66) ; 20.97,32.85 20.97,31.93 ; 20.97,32.85 U1000.L24 ; 20.97,32.85 21.89,32.85 21.89,33.31 21.43,33.31 ; 20.97,31.93 20.05,31.93 20.05,32.39 ; 20.97,31.93 U1000.J26 20.51,31.47 ; U1000.C15 28.78,33.44 ; U1000.C15 28.79,33.77 29.24,33.77 ; U1000.C15 28.78,33.77 28.78,34.22 v1(29.7,34.22) 29.7,34.68 30.16,34.68 ; 18.21,42.04 U1000.AC18 ; U1000.P17 v1(22.81,37.44) ; 23.73,44.99 23.93,44.8 ; 23.73,44.99 U1000.Y9 23.73,43.88 ; 30.14,42.04 U1000.L5 29.7,42.04 ; 30.14,42.04 30.35,42.04 30.61,41.78 30.61,41.58 ; U1000.H2 v1(32.92,42.04) ; U1000.H2 v1(32.46,41.58) ; U1000.H2 v1(32,42.04) ; 22.81,42.96 22.95,42.96 22.95,42.96 U1000.W11 v1(23.27,44.34) ; 22.81,42.96 U1000.Y12 ; 22.81,42.96 U1000.Y11 ; 22.81,42.96 U1000.W12 ; 22.81,43.88 22.81,44.34 ; 22.81,43.88 23.73,43.88 ; 22.81,43.88 U1000.Y11 ; 22.81,44.34 v1(23.27,44.34) ; 22.81,44.34 22.35,44.34 ; 20.51,43.88 20.51,43.88 U1000.AB12 ; 20.51,43.88 20.51,43.42 ; 20.51,43.88 20.51,44.3 20.55,44.34 U1000.AC12 ; U1000.P14 v1(24.19,39.74) U1000.R14 ; U1000.P14 U1000.N15 ; U1000.P14 24.63,39.28 24.65,39.26 U1000.N14 ; U1000.P14 v1(23.73,39.28) ; U1000.AD26 v1(14.08,38.82) ; U1000.T10 24.65,42.04 ; U1000.T10 25.57,42.04 ; U1000.T10 U1000.R11 ; 24.65,42.04 U1000.T11 U1000.R10 ; 20.97,35.6 20.97,35.26 20.85,35.14 ; 20.97,35.6 21.43,35.6 ; 20.97,35.6 v1(20.97,36.52) ; U1000.M3 29.7,43.42 ; U1000.M3 30.16,43.42 v1(30.62,43.42) ; U1000.M3 30.16,43.88 ; 29.7,43.42 29.23,43.42 ; 29.7,37.9 v1(28.78,37.9) 28.78,37.42 v1(28.78,36.98) ; v1(26.95,38.82) U1000.K12 v1(26.49,38.36) ; v1(26.95,38.82) U1000.K11 ; v1(26.95,38.82) U1000.L11 ; U1000.AF20 15.91,42.5 15.93,42.51 16.37,42.51 ; U1000.AF20 v1(15.45,42.04) U1000.AF21 ; U1000.AF20 16.37,42.04 ; U1000.Y12 22.35,43.42 v1(22.35,43.42) ; U1000.Y12 22.35,42.5 ; 19.59,33.31 U1000.M26 ; 19.59,33.31 18.67,33.31 U1000.P26 ; v1(17.75,42.49) 17.75,42.5 U1000.AE17 ; U1000.N14 v1(24.65,38.36) ; U1000.N14 U1000.P15 v1(23.73,39.28) ; U1000.N14 v1(25.11,38.82) ; v1(24.65,38.36) U1000.M14 ; v1(24.65,38.36) U1000.N15 ; U1000.L13 v1(25.57,38.36) ; U1000.L13 v1(26.49,38.36) ; v1(25.57,38.36) U1000.M13 v1(25.11,38.82) ; v1(25.57,38.36) U1000.L14 ; v1(25.57,38.36) U1000.M14 ; U1000.AB15 20.05,41.6 20.03,41.58 ; U1000.AB15 20.05,42.5 20.51,42.5 ; 28.78,42.98 29.23,42.98 29.24,42.97 29.24,43.43 ; 28.78,42.98 28.76,42.96 v1(28.32,42.96) ; 28.78,42.98 v1(28.78,43.42) 29.23,43.42 ; 28.78,42.98 28.78,42.48 ; 16.37,42.51 16.37,42.04 ; 16.37,42.51 16.37,42.96 ; U1000.B9 31.54,36.06 31.54,36.06 ; U1000.B9 32.45,36.06 ; U1000.V15 21.89,41.12 U1000.V14 ; U1000.V15 22.35,40.66 ; 29.23,43.42 29.24,43.43 ; 29.24,43.43 v1(29.24,43.88) ; U1000.J5 30.62,41.56 30.61,41.58 ; U1000.J5 v1(30.62,40.66) U1000.H6 ; U1000.J5 v1(31.08,41.12) ; 25.57,42.04 25.57,42.03 U1000.R10 ; 22.35,40.66 v1(22.35,40.66) ; 22.35,40.66 v1(22.35,40.66) ; 22.35,40.66 U1000.V14 ; 22.35,40.66 U1000.U14 ; 30.16,43.88 U1000.M2 ; 30.16,43.88 v1(29.24,43.88) ; U1000.M2 v1(31.08,43.88) ; U1000.M2 v1(30.62,43.42) ; 20.05,46.17 19.59,46.17 U1000.AF12 ; 20.05,46.17 20.05,45.72 20.05,45.71 U1000.AF12 ; 36.95,51.88 36.95,51.78 35.33,50.17 v1(35.33,50.17) ; 24.65,44.34 24.65,44.76 24.61,44.8 U1000.Y8 ; 24.65,44.34 U1000.V9 ; 24.65,44.34 v1(23.27,44.34) ; 18.33,32.58 18.33,32.5 U1000.N28 17.77,31.94 17.52,31.7 v1(17.52,31.7) ; 24.19,34.68 v1(24.19,34.22) ; 24.19,34.68 24.65,34.68 U1000.J18 25.11,35.14 v1(25.11,35.15) 25.11,35.15 U1000.J17 v1(25.57,35.6) 26.49,35.6 ; U1000.R6 v1(27.86,43.42) U1000.P6 ; U1000.R6 27.41,43.42 ; U1000.R6 26.91,43.42 ; U1000.AC25 v1(15,38.82) ; 19.13,33.77 19.13,32.85 U1000.M26 ; 19.13,33.77 18.67,33.77 U1000.P26 ; v1(32,42.04) 32,42.04 U1000.J3 ; v1(32,42.04) U1000.H3 ; v1(28.32,42.04) 27.4,42.04 27.4,41.58 v1(27.86,41.58) ; v1(28.32,42.04) U1000.M6 ; v1(28.32,42.04) v1(28.32,42.96) ; 23.73,43.88 U1000.W10 U1000.Y11 ; 22.35,44.8 22.35,44.34 22.35,44.34 ; 22.35,44.8 v1(22.35,45.26) ; U1000.AF15 18.67,44.34 ; U1000.V9 25.13,43.42 ; 31.13,36.06 31.13,36.51 31.14,36.52 ; 31.13,36.06 30.62,36.06 ; 31.13,36.06 31.54,36.06 ; 25.12,34.22 v1(24.19,34.22) ; 34.3,38.82 U1000.C3 ; U1000.C3 v1(34.76,39.28) ; U1000.C3 v1(34.3,39.74) ; 30.16,39.28 29.7,39.28 v1(29.7,38.82) ; 30.16,39.28 U1000.G8 ; v1(30.16,35.6) 30.16,35.6 U1000.C12 ; v1(30.16,35.6) U1000.D11 ; 25.53,40.2 U1000.P12 U1000.R11 ; 25.53,40.2 U1000.N11 ; U1000.M14 v1(25.11,38.82) ; U1000.M14 v1(25.11,37.9) U1000.L14 ; U1000.A10 v1(32.3,34.84) ; U1000.K11 v1(27.4,39.28) ; U1000.K11 v1(27.4,39.28) ; U1000.F15 v1(27.4,36.52) 27.86,36.52 ; U1000.G12 v1(27.86,36.98) ; U1000.G12 28.32,36.53 v1(28.33,36.52) ; U1000.G12 v1(28.78,36.98) ; U1000.G12 v1(27.86,36.98) ; v1(27.86,36.98) 27.86,36.52 ; 20.97,33.77 U1000.L24 ; U1000.L24 21.43,33.31 ; U1000.R11 25.11,41.12 v1(25.57,41.12) U1000.R10 ; 21.43,35.14 U1000.M21 21.89,35.44 21.73,35.6 21.43,35.6 ; 21.43,35.14 21.43,35.6 ; 21.43,35.14 20.85,35.14 ; v1(49.63,50.78) 49.63,50.36 U3300.N9 ; U1000.AC12 20.97,44.8 U1000.AC11 ; U1000.AC12 v1(21.43,44.34) ; U1000.U23 18.21,36.52 U1000.V23 ; U1000.U23 19.13,36.52 ; v1(28.32,42.96) U1000.P6 ; 16.37,42.96 16.38,42.96 U1000.AF18 ; 27.41,43.42 27.41,43.96 ; 27.41,43.42 27.41,42.97 27.42,42.96 U1000.P6 ; v1(33.84,40.2) 34.3,40.2 34.3,39.74 v1(34.3,39.74) ; v1(33.84,40.2) 33.84,40.2 U1000.D3 v1(34.3,39.74) ; v1(33.84,40.2) U1000.E3 v1(33.38,40.66) 33.38,40.66 U1000.F3 ; v1(21.89,38.36) U1000.T17 v1(21.89,39.28) ; v1(23.27,39.74) U1000.R15 v1(23.73,39.28) ; v1(23.27,39.74) U1000.R14 ; U1000.V23 18.21,37.44 ; 18.21,37.44 17.98,37.67 ; 18.21,37.44 U1000.V22 ; U1000.Y11 v1(22.35,43.42) ; v1(51.93,28.88) 52.1,29.05 R3314.2 ; 22.35,42.5 U1000.W13 ; U1000.W13 22.81,42.04 ; U1000.U6 26.9,44.34 ; U1000.F17 v1(26.49,33.77) ; 17.98,37.67 17.75,37.9 U1000.Y23 ; v1(27.86,41.58) v1(27.86,40.66) 27.87,40.66 ; v1(40.74,24.78) 41.17,24.35 ; U1000.U8 25.13,43.42 ; U1000.U8 v1(25.57,43.88) ; 23.23,34.22 22.77,34.22 ; 23.23,34.22 v1(24.19,34.22) ; 22.77,34.22 22.81,34.26 22.81,34.74 ; v1(29.7,38.82) U1000.G8 ; 20.97,37.44 U1000.R19 ; U1000.D11 v1(29.7,36.06) ; U1000.D11 30.16,36.06 30.62,36.06 ; 19.59,39.74 U1000.Y18 ; U1000.Y18 19.59,41.58 ; U1000.Y18 19.14,40.2 19.13,40.19 18.67,40.19 ; 18.67,40.19 18.67,40.66 18.22,40.66 ; 18.67,40.19 18.23,40.19 18.22,40.2 18.22,40.66 ; U1000.C12 v1(30.62,35.14) U1000.B12 ; U1000.C12 30.16,34.68 ; U1000.J27 v1(20.51,30.55) ; U1000.J27 v1(20.97,31.01) ; U1000.J27 20.51,31.47 ; 20.97,41.12 20.51,41.12 20.51,41.58 ; 27.41,44.34 26.9,44.34 ; 27.41,44.34 27.41,43.96 ; U1000.M11 v1(26.49,39.28) U1000.L11 ; U1000.M11 v1(26.95,39.74) U1000.L11 ; U1000.M11 v1(26.49,40.2) U1000.N11 ; U1000.M26 v1(19.59,32.39) 20.05,32.39 ; U1000.C14 29.24,33.77 ; 29.24,33.77 29.25,33.76 ; 30.62,36.06 30.62,36.37 30.78,36.52 31.14,36.52 ; 28.33,36.06 28.33,36.06 ; 28.33,36.06 v1(28.33,36.52) ; 28.33,36.06 v1(27.87,36.06) ; U1000.V14 22.81,41.12 ; v1(34.3,42.04) U1000.F1 ; 28.32,40.66 U1000.L8 ; U1000.L8 27.87,40.66 ; U1000.L8 29.22,40.66 ; 54.86,59.37 v1(54.86,58.59) ; 20.51,42.5 U1000.AB14 ; 20.51,42.5 U1000.AA15 ; U1000.L20 22.81,34.74 ; U1000.U14 22.81,41.12 ; U1000.AA23 v1(16.83,37.9) ; v1(16.83,37.9) 17.29,37.9 U1000.Y23 ; 27.86,36.52 27.87,36.52 v1(27.87,36.06) ; 27.86,36.52 v1(28.33,36.52) ; U1000.AF12 19.13,45.71 19.13,45.72 19.13,45.28 ; U1000.R10 v1(26.03,41.58) ; 26.9,44.34 26.91,44.33 26.91,43.42 ; 20.51,32.39 21.43,32.39 21.43,33.31 ; 20.51,32.39 20.51,31.47 ; 20.51,32.39 20.05,32.39 ; v1(26.49,34.69) 26.49,34.69 ; U1000.AB14 20.51,43.42 ; 27.87,40.66 27.87,40.66 ; v1(21.43,44.34) U1000.AB12 ; v1(21.43,44.34) U1000.AC11 ; U1000.AB12 21.43,42.96 ; 29.7,42.04 v1(29.24,42.04) U1000.M6 ; U1000.G6 31.08,40.2 v1(31.08,40.2) ; U1000.G6 v1(30.62,39.74) ; 25.57,29.17 U1000.B23 ; U1000.R14 v1(23.73,39.28) ; U1000.G15 U1000.F14 ; U1000.H6 v1(31.08,40.2) ; U1000.H6 v1(30.62,39.74) ; U1000.H6 v1(30.16,40.2) ; v1(27.4,39.28) U1000.L11 ; 30.16,34.68 U1000.B12 ; v1(31.08,34.68) U1000.B12 ; 19.59,41.58 20.03,41.58 ; U1000.J3 U1000.L3 v1(30.62,43.42) ; U1000.J3 v1(31.54,41.58) U1000.H3 ; 20.03,41.58 20.51,41.58 ; U3300.E1 42.36,43.09 v1(42.36,42.98) ; 22.81,42.04 U1000.W12 ; v1(9.09,42.6) 9.55,42.15 13.05,42.15 v1(13.31,41.88) U1000.AH23 13.71,41.48 ; U1000.Y8 23.93,44.8 ; U3300.F1 43.54,43.16 v1(43.06,42.68) ; U1000.F14 27.86,36.06 v1(27.87,36.06) ; v1(28.78,36.98) U1000.F12 28.78,36.52 v1(28.33,36.52) ; U1000.F3 32.46,40.66 v1(32.46,40.66) ; U1000.F3 v1(32.92,41.12) 32.46,41.12 32.46,41.12 ; U1000.A3 v1(35.63,37.95) ; 32.46,41.12 v1(32.46,41.58) ; 32.46,41.12 v1(32.46,40.66) ; v1(32.46,41.58) U1000.H3 ; U1000.AF18 v1(16.83,43.42) ; v1(10.67,39.31) 10.69,39.28 U1000.AH28 ; 19.13,35.6 20.05,35.6 ; U1000.AH1 v1(23.73,52.16) ; v1(32.27,43.68) 32,43.42 U1000.K1 ; 20.51,41.58 U1000.AA15 ; v1(29.24,40.2) 29.24,40.64 29.22,40.66 ; U1000.M6 28.78,42.48 ; v1(30.62,32.85) 30.17,33.31 U1000.A14 30.09,33.38 30.03,33.38 ; v1(27.87,36.06) 27.87,36.06 ; v1(31.54,37.9) U1000.E7 v1(31.54,38.82) ; v1(30.16,44.8) U1000.N1 v1(30.62,45.26) 30.62,46.16 33.83,49.37 34.39,49.37 35.16,50.14 ; U1000.U1 29.12,46.97 ; 49.83,24.52 49.17,25.18 49.15,25.18 ; U1000.A6 v1(34.14,36.68) ; v1(53.01,42.92) 53.16,42.78 C3302.2 ; 27.4,33.77 v1(27.41,33.77) 27.41,33.76 27.86,33.76 v1(27.86,34.22) 27.4,34.22 27.4,33.77 ; 28.78,35.6 v1(28.78,35.14) 29.24,35.14 29.24,35.14 v1(29.24,35.6) 28.78,35.6